# Altium PCB FMC_ADC_128CH_10B.PcbDoc (part 10 of 14)
Units mm, origin at the board's own origin, x right, y up, seen from the top; angles counter-clockwise.
Board outline 76.5 x 69 mm, 8 copper layers (Top Layer, Int1 (Sign), Int2 (GND), Int3 (Sign), Int4 (Sign), Int5 (GND), Int6 (Sign), Bottom Layer), stack 1.433 mm thick; 815 components, 661 nets, 3772 pads, 2072 vias.
Unrouted connection lines stored in the file: 135.
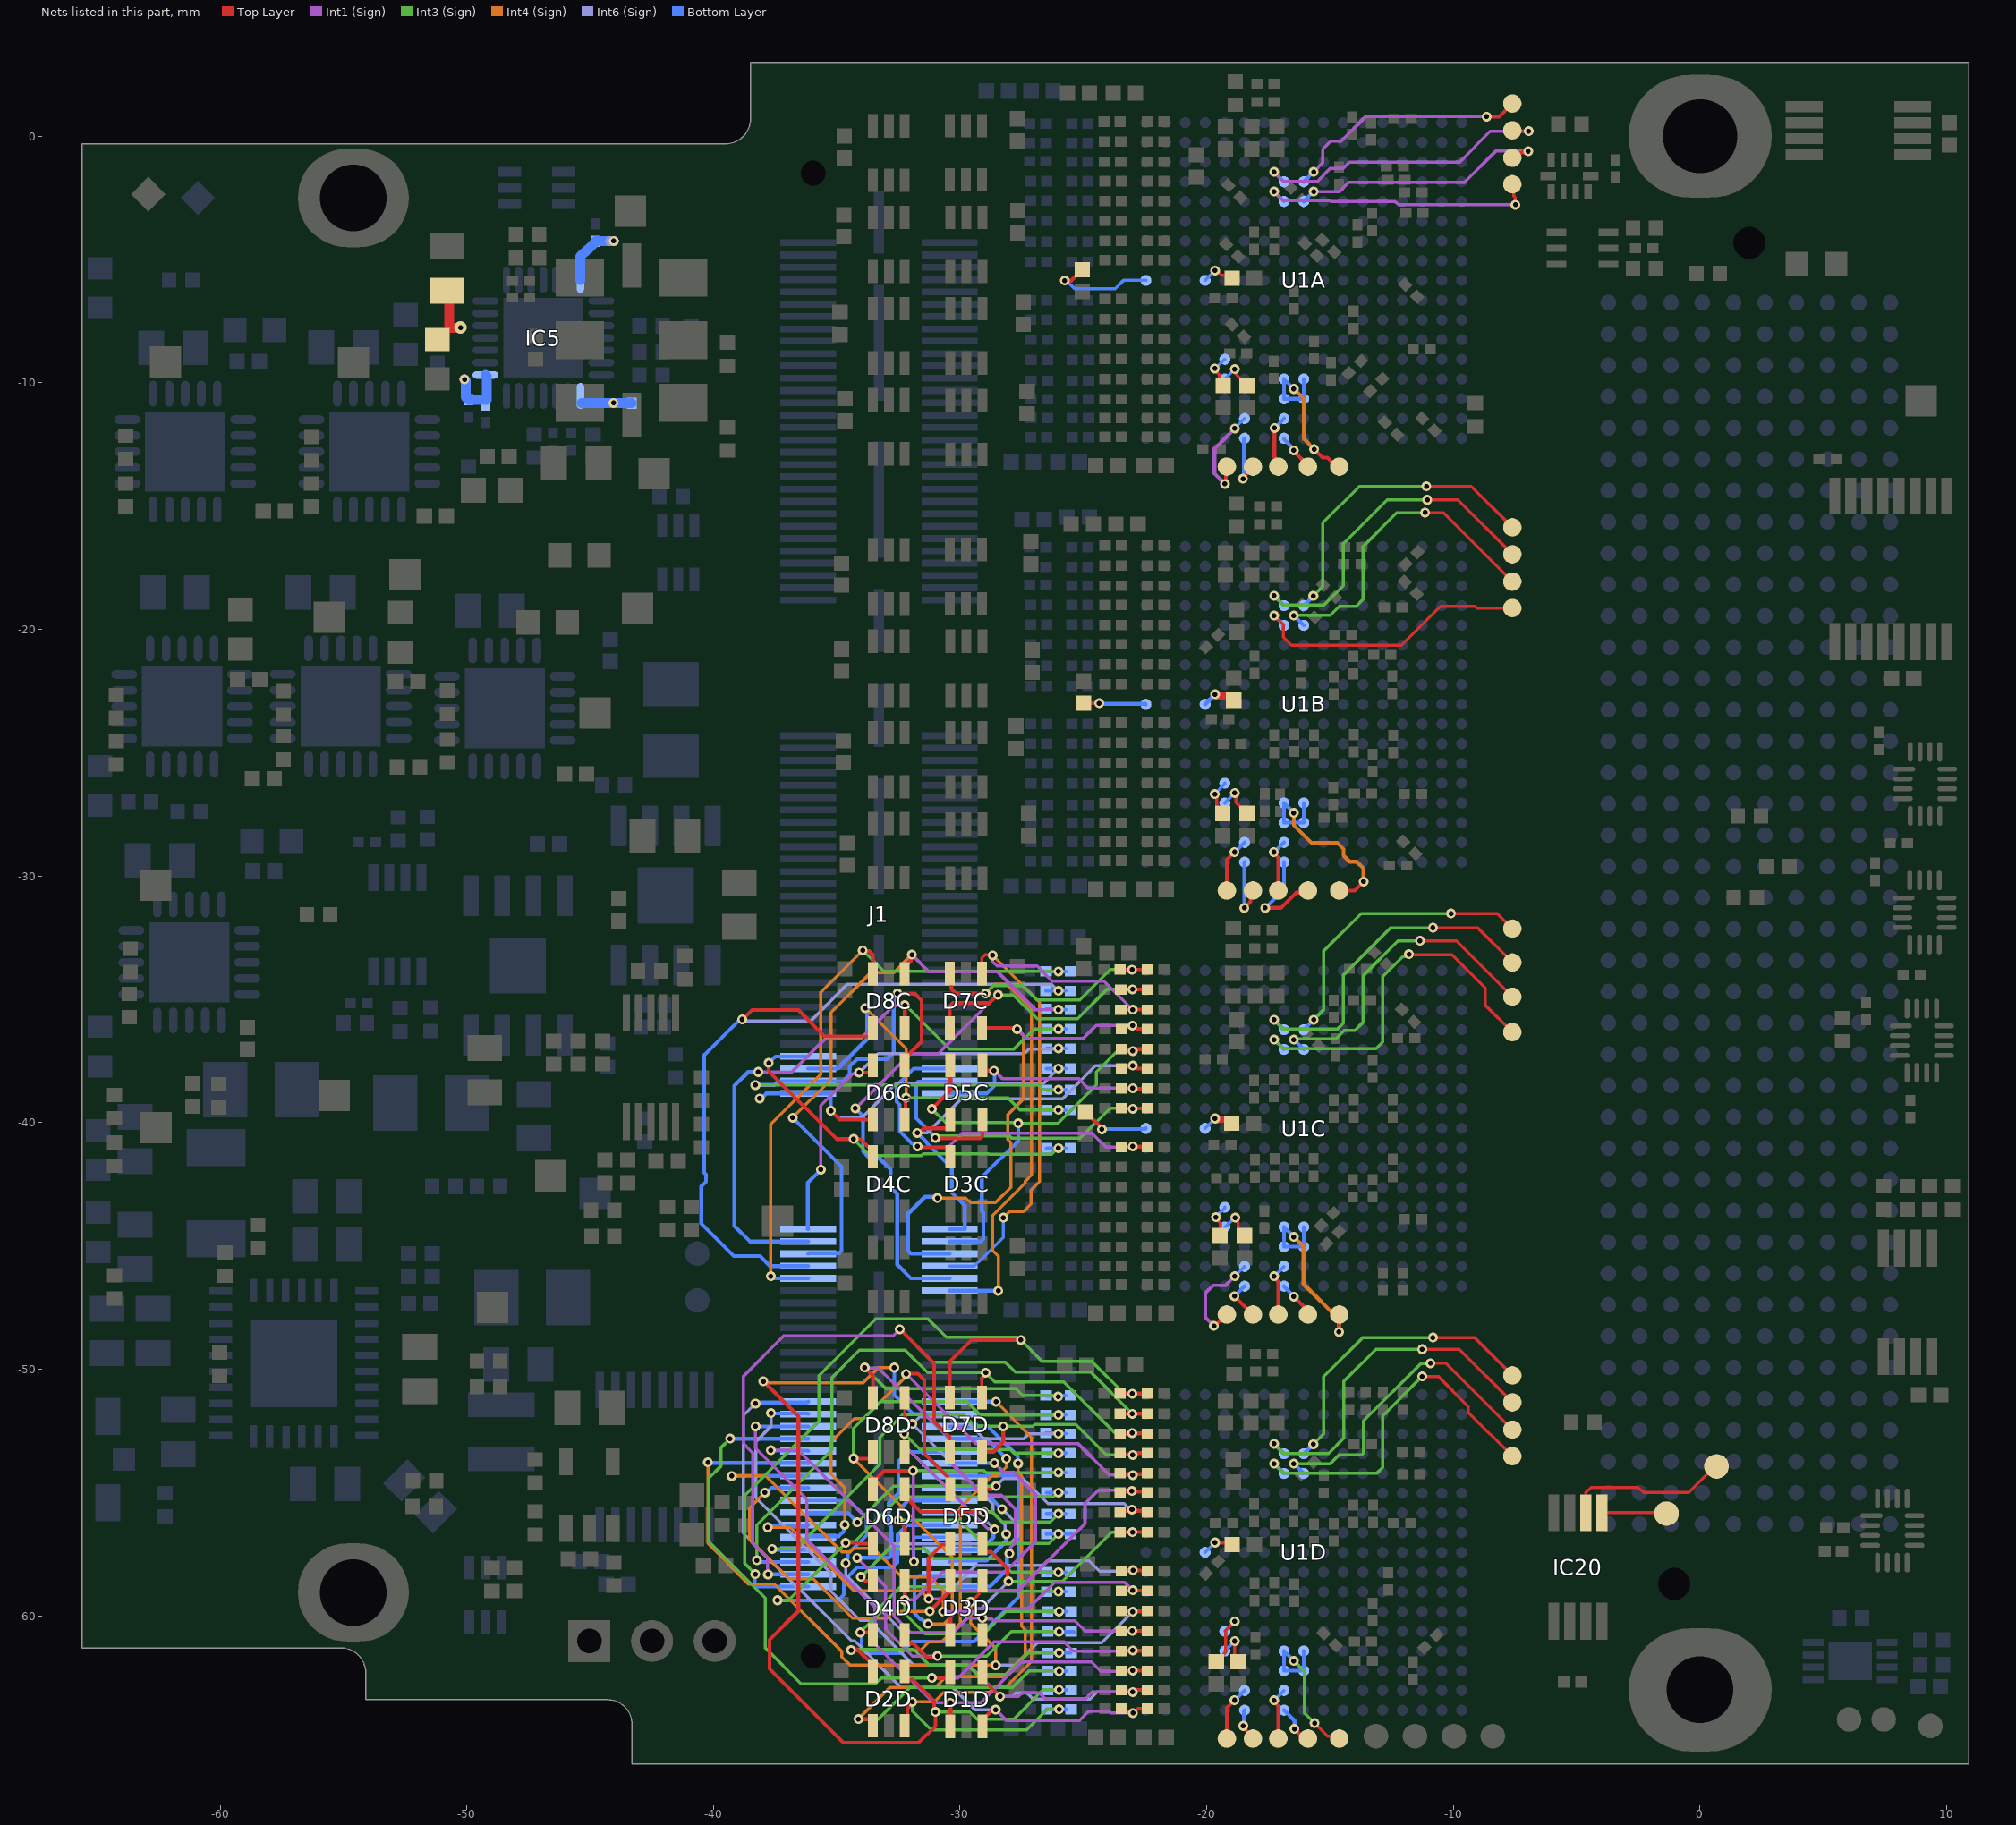
[diagram p16: the nets of this part, all layers, seen from the top]

## Via types
v1: diameter 0.4, hole 0.2, Top Layer to Bottom Layer, tented both sides, 1806 vias
v2: diameter 0.5, hole 0.2, Top Layer to Bottom Layer, tented both sides, 181 vias
v3: diameter 0.6, hole 0.3, Top Layer to Bottom Layer, tented both sides, 81 vias
v4: diameter 0.5, hole 0.3, Top Layer to Bottom Layer, tented both sides, 3 vias
v5: diameter 0.6, hole 0.2, Top Layer to Bottom Layer, tented both sides, 1 vias

## Nets (pads, with @x,y where several pads share a name; then routed paths per layer and width w, separated by ;. In a path a pad name is that pad's centre, name@x,y a point inside that pad or via, vN(x,y) a via of type N, cw(c..) or ccw(c..) an arc to the next point about the centre after c; other vN are vias at no path point) (continued)
INP78: D4C.3 J1.114 R52C.1 R53C.1 | length 17.4
  Top Layer w0.152: v1(-37.759,-37.578) -37.759,-37.91 -35.007,-40.661 v1(-34.322,-40.661) -34.31,-40.673 -34.032,-40.673 -33.724,-40.981 -33.663,-40.981 -33.54,-41.105 D4C.3@-33.54,-41.38
  Int3 (Sign) w0.127: v1(-34.322,-40.661) -33.647,-41.337 -31.575,-41.337 -31.5,-41.262 -30.942,-41.262 -28.839,-41.262 -28.812,-41.289 -26.309,-41.289 -26.055,-41.035 v1(-26.011,-41.035)
  Bottom Layer w0.152: v1(-37.759,-37.578) -37.748,-37.578 -37.483,-37.312 J1.114@-36.158,-37.312 ; R52C.1@-26.489,-41.032 R52C.1@-26.489,-41.032 -26.012,-41.033 v1(-26.011,-41.035) ; v1@-26.011,-41.032 R53C.1@-25.727,-41.032
INP79: D3C.3 J1.115 R54C.2 R55C.1 | length 17.1
  Top Layer w0.152: v1(-31.73,-40.963) -31.689,-41.004 -30.514,-41.004 -30.39,-41.128 D3C.3@-30.39,-41.38 ; R55C.1@-23.298,-40.981 -23.021,-40.981 v1(-22.997,-40.958) ; v1@-22.991,-40.959 -22.98,-40.969 -22.411,-40.969 R54C.2@-22.399,-40.981
  Int1 (Sign) w0.127: v1(-31.73,-40.963) -31.701,-40.991 -30.476,-40.991 -29.909,-40.424 -24.656,-40.424 -24.096,-40.984 -23.024,-40.984 v1(-22.997,-40.958)
  Bottom Layer w0.152: v1(-31.73,-40.963) -31.797,-40.963 -31.928,-40.831 -31.964,-40.831 -32.444,-40.351 -32.444,-39.281 -32.574,-39.151 -32.574,-38.508 -31.879,-37.812 J1.115@-30.428,-37.812
INP80: D6C.6 J1.116 R56C.1 R57C.1 | length 16.6
  Top Layer w0.152: D6C.6@-32.24,-39.871 -32.214,-39.845 -32.214,-39.017 v1(-32.188,-38.991)
  Int3 (Sign) w0.127: v1(-32.188,-38.991) -28.057,-38.991 -27.569,-39.479 v1(-26.011,-39.479)
  Int4 (Sign) w0.127: v1(-33.839,-35.353) -32.188,-37.004 v1(-32.188,-38.991)
  Bottom Layer w0.152: J1.116@-36.158,-37.812 -34.952,-37.812 -34.816,-37.676 -34.816,-37.656 -33.763,-36.602 -33.763,-35.429 v1(-33.839,-35.353) ; R56C.1@-26.489,-39.482 -26.117,-39.482 R57C.1@-25.727,-39.482
INP81: D5C.6 J1.117 R58C.2 R59C.1 | length 16.2
  Top Layer w0.152: v1(-31.001,-40.618) -30.983,-40.636 -29.179,-40.636 -29.09,-40.547 D5C.6@-29.09,-39.871 ; R59C.1@-23.462,-39.406 -23.445,-39.422 -23.018,-39.422 v1(-23.002,-39.439) ; v1@-22.996,-39.511 -22.908,-39.422 -22.416,-39.422 R58C.2@-22.399,-39.406
  Int3 (Sign) w0.127: v1(-31.001,-40.618) -30.928,-40.618 -30.852,-40.542 -27.989,-40.542 -27.894,-40.637 -25.147,-40.637 -23.919,-39.409 -23.032,-39.409 v1(-23.002,-39.439)
  Bottom Layer w0.152: v1(-31.001,-40.618) -31.002,-40.601 -31.782,-39.821 -31.782,-38.43 -31.692,-38.341 -30.457,-38.341 J1.117@-30.428,-38.312
INP82: D6C.1 J1.118 R60C.1 R61C.1 | length 25.9
  Top Layer w0.152: v1(-32.544,-34.769) -31.832,-34.769 -31.553,-35.048 -31.553,-36.71 -32.24,-37.396 D6C.1@-32.24,-37.671
  Int3 (Sign) w0.127: v1(-38.297,-38.471) -26.844,-38.471 -26.648,-38.667 v1(-26.011,-38.667)
  Bottom Layer w0.152: v1(-38.297,-38.471) -37.532,-38.471 -37.373,-38.312 J1.118@-36.158,-38.312 -34.752,-38.312 -34.479,-38.04 -34.479,-37.809 -34.474,-37.804 -34.474,-37.715 -34.175,-37.416 -32.95,-37.416 -32.695,-37.161 -32.695,-34.982 -32.544,-34.831 v1(-32.544,-34.769) ; R60C.1@-26.489,-38.67 R61C.1@-25.727,-38.67
INP83: D5C.1 J1.119 R62C.2 R63C.1 | length 10.1
  Top Layer w0.152: D5C.1@-29.09,-37.671 -29.09,-37.769 -28.966,-37.893 v1(-28.625,-37.893) ; R63C.1@-23.423,-38.619 -23.413,-38.608 -23.012,-38.608 v1(-23.001,-38.597) ; v1@-23.001,-38.619 R62C.2@-22.399,-38.619
  Int1 (Sign) w0.127: v1(-28.625,-37.893) -28.607,-37.893 -28.291,-38.208 -25.202,-38.208 -24.813,-38.597 v1(-23.001,-38.597)
  Bottom Layer w0.152: J1.119@-30.428,-38.812 -28.923,-38.812 -28.607,-38.496 -28.607,-37.911 v1(-28.625,-37.893)
INP84: D6C.4 J1.120 R64C.1 R65C.1 | length 16.3
  Top Layer w0.152: v1(-35.236,-39.515) -34.88,-39.871 D6C.4@-33.54,-39.871
  Int6 (Sign) w0.127: v1(-35.236,-39.515) -34.961,-39.79 -33.969,-39.79 -32.578,-38.4 -26.608,-38.4 v1(-26.011,-37.803)
  Bottom Layer w0.152: v1(-38.127,-39.015) -38.06,-39.015 -37.857,-38.812 -35.236,-38.812 v1(-35.236,-39.515) ; R64C.1@-26.489,-37.806 v1@-26.117,-37.806 ; v1@-26.011,-37.806 R65C.1@-25.727,-37.806
INP85: D5C.4 J1.121 R66C.2 R67C.1 | length 17.8
  Top Layer w0.152: v1(-31.737,-40.412) -31.67,-40.412 -31.49,-40.232 -31.162,-40.232 ; -31.161,-40.232 -30.841,-40.232 -30.514,-40.232 -30.39,-40.108 D5C.4@-30.39,-39.871 ; R67C.1@-23.462,-37.806 -23.392,-37.736 -23.049,-37.736 v1(-23.001,-37.688) -22.934,-37.688 -22.817,-37.806 R66C.2@-22.399,-37.806
  Int6 (Sign) w0.127: v1(-31.737,-40.412) -31.324,-40.412 -29.951,-39.04 -25.856,-39.04 -24.505,-37.688 v1(-23.001,-37.688)
  Bottom Layer w0.152: -31.582,-40.585 -31.561,-40.585 -31.335,-40.811 -31.335,-40.831 -30.337,-41.829 -30.337,-42.831 -29.806,-43.362 -29.806,-44.315 J1.121@-30.428,-44.315
INP86: D6C.3 J1.122 R68C.1 R69C.1 | length 17.5
  Top Layer w0.152: v1(-34.093,-37.969) -33.54,-37.969 D6C.3@-33.54,-37.671
  Int1 (Sign) w0.127: v1(-35.642,-41.906) -35.642,-39.302 -34.351,-38.01 -34.134,-38.01 v1(-34.093,-37.969)
  Int6 (Sign) w0.127: v1(-34.093,-37.969) -33.322,-37.198 -27.393,-37.198 -27.217,-37.022 -26.042,-37.022 v1(-26.011,-36.99)
  Bottom Layer w0.152: J1.122@-36.158,-44.315 -36.176,-44.315 -36.176,-42.439 v1(-35.642,-41.906) ; R68C.1@-26.489,-36.993 -26.117,-36.993 R69C.1@-25.726,-36.993
INP87: D5C.3 J1.123 R70C.2 R71C.1 | length 19.8
  Top Layer w0.152: v1(-31.142,-39.447) -30.39,-38.695 D5C.3@-30.39,-37.671 ; R71C.1@-23.389,-37.019 -23.353,-37.055 -23.036,-37.055 v1(-23,-37.092) ; v1@-22.967,-37.078 -22.919,-37.078 -22.859,-37.019 R70C.2@-22.399,-37.019
  Int3 (Sign) w0.127: v1(-31.142,-39.447) -30.593,-39.996 -27.672,-39.996 v1(-27.641,-40.026) -26.03,-40.026 -24.475,-38.471 -24.475,-37.944 -23.623,-37.092 v1(-23,-37.092)
  Bottom Layer w0.152: J1.123@-30.428,-44.815 -29.14,-44.815 -29.051,-44.726 -29.051,-43.645 -29.122,-43.573 -29.122,-42.221 -27.641,-40.741 v1(-27.641,-40.026)
INP88: D8C.6 J1.124 R72C.1 R73C.1 | length 26.3
  Top Layer w0.152: D8C.6@-32.24,-36.163 v1(-32.24,-35.234) v1@-32.206,-35.2
  Int1 (Sign) w0.127: v1(-38.182,-37.944) -38.175,-37.951 -36.822,-37.951 -35.447,-36.576 -34.019,-36.576 -32.694,-35.25 -32.256,-35.25 v1(-32.24,-35.234)
  Int3 (Sign) w0.127: v1(-32.24,-35.234) -32.206,-35.234 -30.418,-37.022 -27.82,-37.022 -27.001,-36.203 v1(-26.011,-36.203)
  Bottom Layer w0.152: v1(-38.182,-37.944) -38.589,-37.944 -39.148,-38.502 -39.148,-44.192 -38.525,-44.815 J1.124@-36.158,-44.815 ; R72C.1@-26.489,-36.206 -26.117,-36.206 R73C.1@-25.727,-36.206
INP89: D7C.6 J1.125 R74C.2 R75C.1 | length 22.5
  Top Layer w0.152: D7C.6@-29.115,-36.155 -27.695,-36.155 -27.689,-36.161 v1(-27.689,-36.208) ; R75C.1@-23.387,-36.206 -23.387,-36.191 -23.308,-36.112 -23.055,-36.112 v1(-23.008,-36.065) -22.945,-36.065 -22.804,-36.206 R74C.2@-22.399,-36.206
  Int1 (Sign) w0.127: v1(-27.689,-36.208) -27.321,-36.576 -25.004,-36.576 -24.493,-36.065 v1(-23.008,-36.065)
  Int4 (Sign) w0.127: v1(-30.918,-43.052) -29.771,-43.052 -29.576,-43.247 -28.566,-43.247 -27.939,-42.619 -27.939,-40.811 -28.073,-40.677 -28.073,-39.675 -27.423,-39.024 -27.423,-36.474 v1(-27.689,-36.208)
  Bottom Layer w0.152: v1(-30.918,-43.052) -30.965,-43.005 -31.27,-43.005 -31.423,-43.005 -32.112,-43.694 -32.112,-45.188 -31.985,-45.315 J1.125@-30.428,-45.315
INP90: D8C.1 J1.126 R76C.1 R77C.1 | length 25.3
  Top Layer w0.152: D8C.1@-32.24,-33.963 -32.24,-33.688 -32.004,-33.452 -32.004,-33.231 v1(-31.957,-33.184)
  Int1 (Sign) w0.127: v1(-31.957,-33.184) -31.252,-33.888 -28.476,-33.888 -26.949,-35.415 v1(-26.011,-35.415)
  Int4 (Sign) w0.127: v1(-36.785,-39.798) -35.236,-38.248 -35.236,-35.536 -33.624,-33.924 -32.697,-33.924 v1(-31.957,-33.184)
  Bottom Layer w0.152: v1(-36.785,-39.798) -34.804,-41.779 -34.804,-43.646 -34.809,-43.651 -34.809,-43.971 -34.804,-43.976 -34.804,-45.197 -34.894,-45.286 -36.13,-45.286 J1.126@-36.158,-45.315 ; R76C.1@-26.514,-35.393 -26.143,-35.393 -26.118,-35.418 R77C.1@-25.727,-35.418
INP91: D7C.1 J1.127 R78C.2 R79C.1 | length 24.8
  Top Layer w0.127: D7C.1@-29.115,-33.955 -29.115,-33.322 -28.988,-33.194 -28.696,-33.194 v1(-28.678,-33.212)
  Top Layer w0.152: R79C.1@-23.477,-35.418 R78C.2@-22.399,-35.418
  Int1 (Sign) w0.127: v1(-28.678,-33.212) -28.678,-33.474 -28.501,-33.651 -26.879,-33.651 -26.27,-34.261 -24.163,-34.261 v1(-23.003,-35.421)
  Int4 (Sign) w0.127: v1(-28.678,-33.212) -26.781,-35.108 -26.781,-42.389 -27.123,-42.73 -27.123,-43.299 -27.423,-43.599 -27.991,-43.599 v1(-28.247,-43.854)
  Bottom Layer w0.127: J1.127@-30.428,-45.815 -29.432,-45.815 -29.246,-45.628 -29.221,-45.628 -28.247,-44.654 v1(-28.247,-43.854)
INP92: D8C.4 J1.128 R80C.1 R81C.1 | length 34.5
  Top Layer w0.152: v1(-38.833,-35.812) -38.81,-35.812 -38.429,-35.431 -36.555,-35.431 -35.488,-36.498 -34.096,-36.498 -33.663,-36.498 -33.54,-36.374 D8C.4@-33.54,-36.163
  Int6 (Sign) w0.127: v1(-38.833,-35.812) -38.772,-35.874 -36.056,-35.874 -34.57,-34.388 -26.298,-34.388 -26.033,-34.653 v1(-26.011,-34.653)
  Bottom Layer w0.152: v1(-38.833,-35.812) -38.924,-35.812 -40.37,-37.258 -40.37,-42.035 -40.306,-42.098 -40.306,-42.402 -40.494,-42.589 -40.494,-44.089 -39.171,-45.411 -38.104,-45.411 -37.7,-45.815 J1.128@-36.158,-45.815 ; R80C.1@-26.514,-34.657 v1@-26.143,-34.656 ; v1@-26.011,-34.656 R81C.1@-25.727,-34.656
INP93: D7C.4 J1.129 R82C.2 R83C.1 | length 27.8
  Top Layer w0.152: D7C.4@-30.415,-36.155 -30.415,-35.273 -30.29,-35.148 -28.809,-35.148 -28.481,-34.819 v1(-28.459,-34.819) ; R83C.1@-23.475,-34.606 -23.47,-34.601 -23.011,-34.601 v1(-23.007,-34.596) -23.002,-34.601 -22.404,-34.601 R82C.2@-22.399,-34.606
  Int1 (Sign) w0.127: v1(-34.245,-39.417) -34.225,-39.417 -32.012,-37.203 -30.882,-37.203 -28.499,-34.819 v1(-28.459,-34.819)
  Int3 (Sign) w0.127: v1(-28.459,-34.819) -27.845,-34.819 -26.876,-35.789 -25.241,-35.789 -24.048,-34.596 v1(-23.007,-34.596)
  Bottom Layer w0.152: v1(-34.245,-39.417) -33.935,-39.727 -33.935,-41.169 -33.712,-41.392 -33.328,-41.392 -32.814,-41.906 -32.814,-42.626 -32.548,-42.893 -32.548,-45.759 -31.992,-46.315 J1.129@-30.428,-46.315
INP94: D8C.3 J1.130 R84C.1 R85C.1 | length 26.6
  Top Layer w0.152: v1(-33.946,-33.016) -33.915,-33.047 -33.676,-33.047 -33.54,-33.184 D8C.3@-33.54,-33.963
  Int3 (Sign) w0.127: v1(-33.946,-33.016) -33.096,-33.866 v1(-26.011,-33.866)
  Int4 (Sign) w0.127: v1(-37.674,-46.23) -37.674,-40.07 -35.649,-38.045 -35.649,-34.719 v1(-33.946,-33.016)
  Bottom Layer w0.152: v1(-37.674,-46.23) -37.607,-46.23 -37.521,-46.315 J1.130@-36.158,-46.315 ; R84C.1@-26.514,-33.869 -26.143,-33.869 -26.011,-33.869 R85C.1@-25.727,-33.869
INP95: D7C.3 J1.131 R86C.2 R87C.1 | length 26.6
  Top Layer w0.127: R87C.1@-23.512,-33.793 -22.663,-33.793 ; -22.663,-33.793 R86C.2@-22.399,-33.793
  Top Layer w0.152: D7C.3@-30.409,-33.961 -30.355,-34.015 -30.355,-34.569 -30.156,-34.769 -28.976,-34.769 v1(-28.969,-34.762)
  Int3 (Sign) w0.127: v1(-28.969,-34.762) -28.644,-34.437 -27.482,-34.437 -26.889,-35.03 -25.15,-35.03 -23.916,-33.796 v1(-23.028,-33.796)
  Int4 (Sign) w0.127: v1(-28.969,-34.762) -28.605,-34.397 -28.09,-34.397 -27.1,-35.387 -27.1,-42.118 -27.36,-42.378 -27.36,-42.439 -28.689,-43.769 -28.689,-45.186 -28.454,-45.421 v1(-28.454,-46.815)
  Bottom Layer w0.152: J1.131@-30.428,-46.815 v1(-28.454,-46.815)
INP96: D2D.6 J1.149 R22D.1 R24D.1 | length 27.4
  Top Layer w0.152: D2D.6@-32.24,-64.458 -32.136,-64.355 -32.136,-63.755 -31.934,-63.552 v1(-31.934,-63.485)
  Int3 (Sign) w0.127: v1(-31.934,-63.485) -31.934,-63.87 -31.175,-64.629 -27.309,-64.629 -26.467,-63.787 v1(-25.986,-63.787)
  Int4 (Sign) w0.127: v1(-31.934,-63.485) -31.039,-63.485 -30.66,-63.106 -28.806,-63.106 -28.545,-62.845 -28.1,-62.845 -27.1,-61.845 -27.1,-52.76 v1(-28.545,-51.315)
  Bottom Layer w0.152: J1.149@-30.428,-51.315 v1(-28.545,-51.315) ; R22D.1@-26.489,-63.79 -26.487,-63.789 -25.987,-63.789 v1(-25.986,-63.787) -25.983,-63.79 R24D.1@-25.701,-63.79
INP97: D1D.6 J1.150 R26D.2 R27D.1 | length 28.9
  Top Layer w0.152: D1D.6@-29.09,-64.484 -29.09,-64.209 -28.731,-63.85 -28.603,-63.85 v1(-28.556,-63.802) ; R27D.1@-23.352,-63.788 -23.352,-63.846 -23.308,-63.89 -23.042,-63.89 v1(-22.995,-63.937) -22.964,-63.937 -22.791,-63.765 R26D.2@-22.399,-63.765
  Int1 (Sign) w0.127: v1(-28.556,-63.802) -28.11,-64.248 -25.169,-64.248 -24.789,-63.868 -23.964,-63.868 -23.895,-63.937 v1(-22.995,-63.937)
  Int6 (Sign) w0.127: v1(-38.297,-51.385) -38.792,-51.88 -38.792,-56.649 -36.682,-58.758 -36.663,-58.758 -34.4,-61.022 -34.269,-61.022 -32.396,-62.894 -30.306,-62.894 -29.398,-63.802 v1(-28.556,-63.802)
  Bottom Layer w0.152: v1(-38.297,-51.385) -38.262,-51.35 -36.193,-51.35 J1.150@-36.158,-51.315
INP98: D2D.1 J1.151 R28D.1 R29D.1 | length 39.4
  Top Layer w0.152: v1(-37.971,-50.491) -36.555,-51.907 -36.555,-59.8 -37.731,-60.976 -37.731,-62.144 -34.728,-65.147 -31.68,-65.147 -31.001,-64.468 v1(-31.001,-63.895) ; D2D.1@-32.24,-62.258 -32.24,-62.474 -32.116,-62.598 -31.9,-62.598 -31.048,-63.45 -31.048,-63.826 v1@-31.001,-63.873
  Int3 (Sign) w0.127: v1(-31.001,-63.895) -29.611,-63.895 -29.324,-64.182 -27.819,-64.182 -26.636,-63 v1(-25.986,-63)
  Int4 (Sign) w0.127: v1(-37.971,-50.491) -37.92,-50.542 -33.928,-50.542 -33.319,-49.933 v1(-32.668,-49.933)
  Bottom Layer w0.152: v1@-32.667,-49.934 -32.667,-51.053 -31.906,-51.815 J1.151@-30.428,-51.815 ; R28D.1@-26.464,-63.003 R29D.1@-25.701,-63.003
INP99: D1D.1 J1.152 R30D.2 R31D.1 | length 32.7
  Top Layer w0.127: D1D.1@-29.09,-62.284 -29.09,-62.559 -28.381,-63.267 v1(-28.378,-63.267)
  Top Layer w0.152: R31D.1@-23.363,-63.003 -23.321,-63.045 -23.041,-63.045 v1(-22.999,-63.087) ; v1@-22.97,-63.084 -22.928,-63.084 -22.848,-63.003 R30D.2@-22.399,-63.003
  Int1 (Sign) w0.127: v1(-28.378,-63.267) -27.625,-63.267 -27.469,-63.112 -26.79,-63.112 -26.537,-63.365 -26.149,-63.365 -26.14,-63.373 -25.831,-63.373 -25.822,-63.365 -24.91,-63.365 -24.632,-63.087 v1(-22.999,-63.087)
  Int6 (Sign) w0.127: v1(-37.669,-51.781) -37.669,-52.319 -38.285,-52.935 -38.285,-55.218 -35.236,-58.267 -35.236,-59.009 -34.057,-60.188 -33.695,-60.188 -31.878,-62.005 -29.641,-62.005 -28.467,-63.178 -28.398,-63.178 v1@-28.366,-63.146 ; v1(-28.378,-63.267) -28.366,-63.255 v1@-28.366,-63.146 ; v1(-22.999,-63.087) -24.438,-63.087 -24.724,-63.373 -27.042,-63.373 -27.303,-63.112 -27.726,-63.112 -27.881,-63.267 -28.252,-63.267 -28.366,-63.154 v1@-28.366,-63.146
  Bottom Layer w0.152: v1(-37.669,-51.781) -37.652,-51.798 -36.175,-51.798 J1.152@-36.158,-51.815
INP100: D2D.4 J1.153 R32D.1 R33D.1 | length 29.9
  Top Layer w0.152: v1(-34.118,-64.182) -33.54,-64.182 D2D.4@-33.54,-64.458
  Int3 (Sign) w0.127: v1(-34.118,-64.182) -33.302,-64.182 -32.015,-62.894 -27.862,-62.894 -27.206,-62.238 -25.997,-62.238 v1(-25.986,-62.248)
  Int4 (Sign) w0.127: v1(-34.118,-64.182) -32.831,-62.894 -30.992,-62.894 -30.569,-62.471 -28.245,-62.471 -27.36,-61.586 -27.36,-60.571 -27.507,-60.424 -27.507,-54.326 -27.65,-54.183 v1(-27.65,-53.817)
  Bottom Layer w0.152: J1.153@-30.428,-52.315 -28.869,-52.315 -27.659,-53.525 -27.659,-53.808 v1(-27.65,-53.817) ; R32D.1@-26.464,-62.241 -26.46,-62.245 -25.99,-62.245 v1(-25.986,-62.248) ; v1@-25.986,-62.241 R33D.1@-25.701,-62.241
INP101: D1D.4 J1.154 R34D.2 R35D.1 | length 27.1
  Top Layer w0.152: D1D.4@-30.39,-64.484 v1(-30.39,-63.521) ; R35D.1@-23.301,-62.241 -23.029,-62.241 v1(-23.002,-62.214) ; v1@-22.999,-62.208 -22.979,-62.228 -22.412,-62.228 R34D.2@-22.399,-62.241
  Int1 (Sign) w0.127: v1(-38.291,-52.315) -38.291,-53.197 -36.211,-55.277 -36.211,-56.908 -33.456,-59.663 -33.456,-61.149 -31.083,-63.521 v1(-30.39,-63.521) -29.16,-63.521 -27.513,-61.875 -24.668,-61.875 -24.299,-62.244 -23.032,-62.244 v1(-23.002,-62.214)
  Bottom Layer w0.152: v1(-38.291,-52.315) J1.154@-36.158,-52.315
INP102: D2D.3 J1.155 R36D.1 R37D.1 | length 26.7
  Top Layer w0.152: v1(-34.423,-61.395) -34.391,-61.362 -34.169,-61.362 -33.54,-61.992 D2D.3@-33.54,-62.258
  Int3 (Sign) w0.127: v1(-34.423,-61.395) -34.391,-61.362 -31.88,-61.362 -31.237,-62.005 -29.696,-62.005 -29.323,-62.378 -28.12,-62.378 -27.243,-61.501 v1(-25.986,-61.501)
  Int4 (Sign) w0.127: v1(-34.423,-61.395) -31.602,-61.395 -31.253,-61.046 -30.752,-61.046 -29.994,-60.288 -29.994,-55.608 -28.712,-54.326 -28.487,-54.326 -28.125,-53.964 v1(-28.125,-53.631)
  Bottom Layer w0.127: R36D.1@-26.464,-61.504 R37D.1@-25.501,-61.504
  Bottom Layer w0.152: J1.155@-30.428,-52.815 -28.919,-52.815 -28.125,-53.609 v1(-28.125,-53.631)
INP103: D1D.3 J1.156 R38D.2 R39D.1 | length 31.3
  Top Layer w0.152: v1(-31.147,-62.52) -30.514,-62.52 -30.39,-62.397 D1D.3@-30.39,-62.284 ; R39D.1@-23.379,-61.428 -23.365,-61.415 -23.015,-61.415 v1(-23.002,-61.401) ; v1@-22.993,-61.331 -22.909,-61.415 -22.412,-61.415 R38D.2@-22.399,-61.428
  Int1 (Sign) w0.127: v1(-31.147,-62.52) -30.084,-62.52 -28.621,-61.058 -25.788,-61.058 -25.415,-61.431 -23.031,-61.431 v1(-23.002,-61.401)
  Int3 (Sign) w0.127: v1(-39.327,-52.815) -39.701,-53.188 -39.701,-53.931 -40.182,-54.412 -40.182,-56.994 -37.899,-59.277 -37.899,-61.299 -36.44,-62.758 -33.429,-62.758 -33.192,-62.52 v1(-31.147,-62.52)
  Bottom Layer w0.152: v1(-39.327,-52.815) J1.156@-36.158,-52.815
INP104: D4D.6 J1.157 R40D.1 R41D.1 | length 21.9
  Top Layer w0.152: D4D.6@-32.24,-60.775 -32.24,-60.991 -32.116,-61.115 -31.9,-61.115 -31.322,-61.693 -31.047,-61.693 -30.985,-61.631 v1(-30.918,-61.631)
  Int1 (Sign) w0.127: v1(-34.175,-57.644) -33.013,-58.806 -33.013,-60.548 -31.93,-61.631 v1(-30.918,-61.631)
  Int3 (Sign) w0.127: v1(-30.918,-61.631) -28.918,-61.631 -28.414,-61.128 -28.404,-61.128 -27.914,-60.638 v1(-25.985,-60.638)
  Bottom Layer w0.152: v1(-34.175,-57.644) -32.888,-57.644 -32.799,-57.554 -32.799,-56.372 -32.89,-56.281 -32.89,-55.416 -32.503,-55.03 -32.503,-53.739 -32.113,-53.349 -30.462,-53.349 J1.157@-30.428,-53.315 ; R40D.1@-26.463,-60.641 R41D.1@-25.501,-60.641 -25.401,-60.641 R41D.1@-25.37,-60.671
INP105: D3D.6 J1.158 R42D.2 R43D.1 | length 23.2
  Top Layer w0.152: v1(-29.096,-60.087) -29.093,-60.09 -29.093,-60.773 D3D.6@-29.09,-60.775 ; R43D.1@-23.462,-60.615 -23.456,-60.609 -23.022,-60.609 v1(-23.016,-60.604) -23.011,-60.609 -22.405,-60.609 R42D.2@-22.399,-60.615
  Int1 (Sign) w0.127: v1(-37.674,-53.285) -36.559,-53.285 -32.668,-57.176 -32.668,-60.008 -31.984,-60.692 -30.281,-60.692 -29.676,-60.087 v1(-29.096,-60.087) ; v1@-29.096,-60.084 -29.054,-60.126 -28.705,-60.126 -28.632,-60.2 -25.35,-60.2 -24.932,-60.618 -23.031,-60.618 v1(-23.016,-60.604)
  Bottom Layer w0.152: v1(-37.674,-53.285) -37.659,-53.3 -36.173,-53.3 J1.158@-36.158,-53.315
INP106: D4D.1 J1.159 R44D.1 R45D.1 | length 21.3
  Top Layer w0.152: v1(-32.24,-59.366) D4D.1@-32.24,-58.575
  Int1 (Sign) w0.127: v1(-32.24,-59.366) -32.226,-59.352 -31.849,-59.352 -30.721,-58.225 -28.177,-58.225 -26.949,-56.997 -26.949,-55.056 -27.819,-54.186 -28.22,-54.186 v1(-28.605,-53.801)
  Int3 (Sign) w0.127: v1(-32.24,-59.366) -32.24,-59.904 -31.418,-60.725 -29.035,-60.725 -28.135,-59.825 -25.986,-59.825 v1(-25.984,-59.826)
  Bottom Layer w0.152: J1.159@-30.428,-53.815 -30.421,-53.808 -28.613,-53.808 v1(-28.605,-53.801) ; R44D.1@-26.463,-59.828 v1@-25.985,-59.827 ; v1@-25.984,-59.828 R45D.1@-25.701,-59.828
INP107: D3D.1 J1.160 R46D.2 R47D.1 | length 32.7
  Top Layer w0.127: v1(-29.572,-59.429) -29.55,-59.429 -29.227,-59.105 -29.227,-58.712 D3D.1@-29.09,-58.575
  Top Layer w0.152: R47D.1@-23.316,-59.803 -23.316,-59.809 -23.308,-59.817 -23.017,-59.817 v1(-23.002,-59.832) ; v1@-22.987,-59.832 -22.972,-59.817 -22.414,-59.817 R46D.2@-22.399,-59.802
  Int4 (Sign) w0.127: v1(-40.225,-53.775) -40.225,-57.061 -38.578,-58.707 -37.53,-58.707 -34.797,-61.441 -34.797,-61.663 -34.455,-62.005 v1(-28.556,-62.005) -28.556,-61.318 -29.572,-60.301 v1(-29.572,-59.429)